# Altium PCB Fri3D_2020_03.PcbDoc (part 1 of 3)
Units mm, origin at the board's own origin, x right, y up, seen from the top; angles counter-clockwise.
Board outline 134.73 x 117.95 mm, 2 copper layers (Top Layer, Bottom Layer), stack 1.571 mm thick; 120 components, 88 nets, 479 pads, 206 vias.
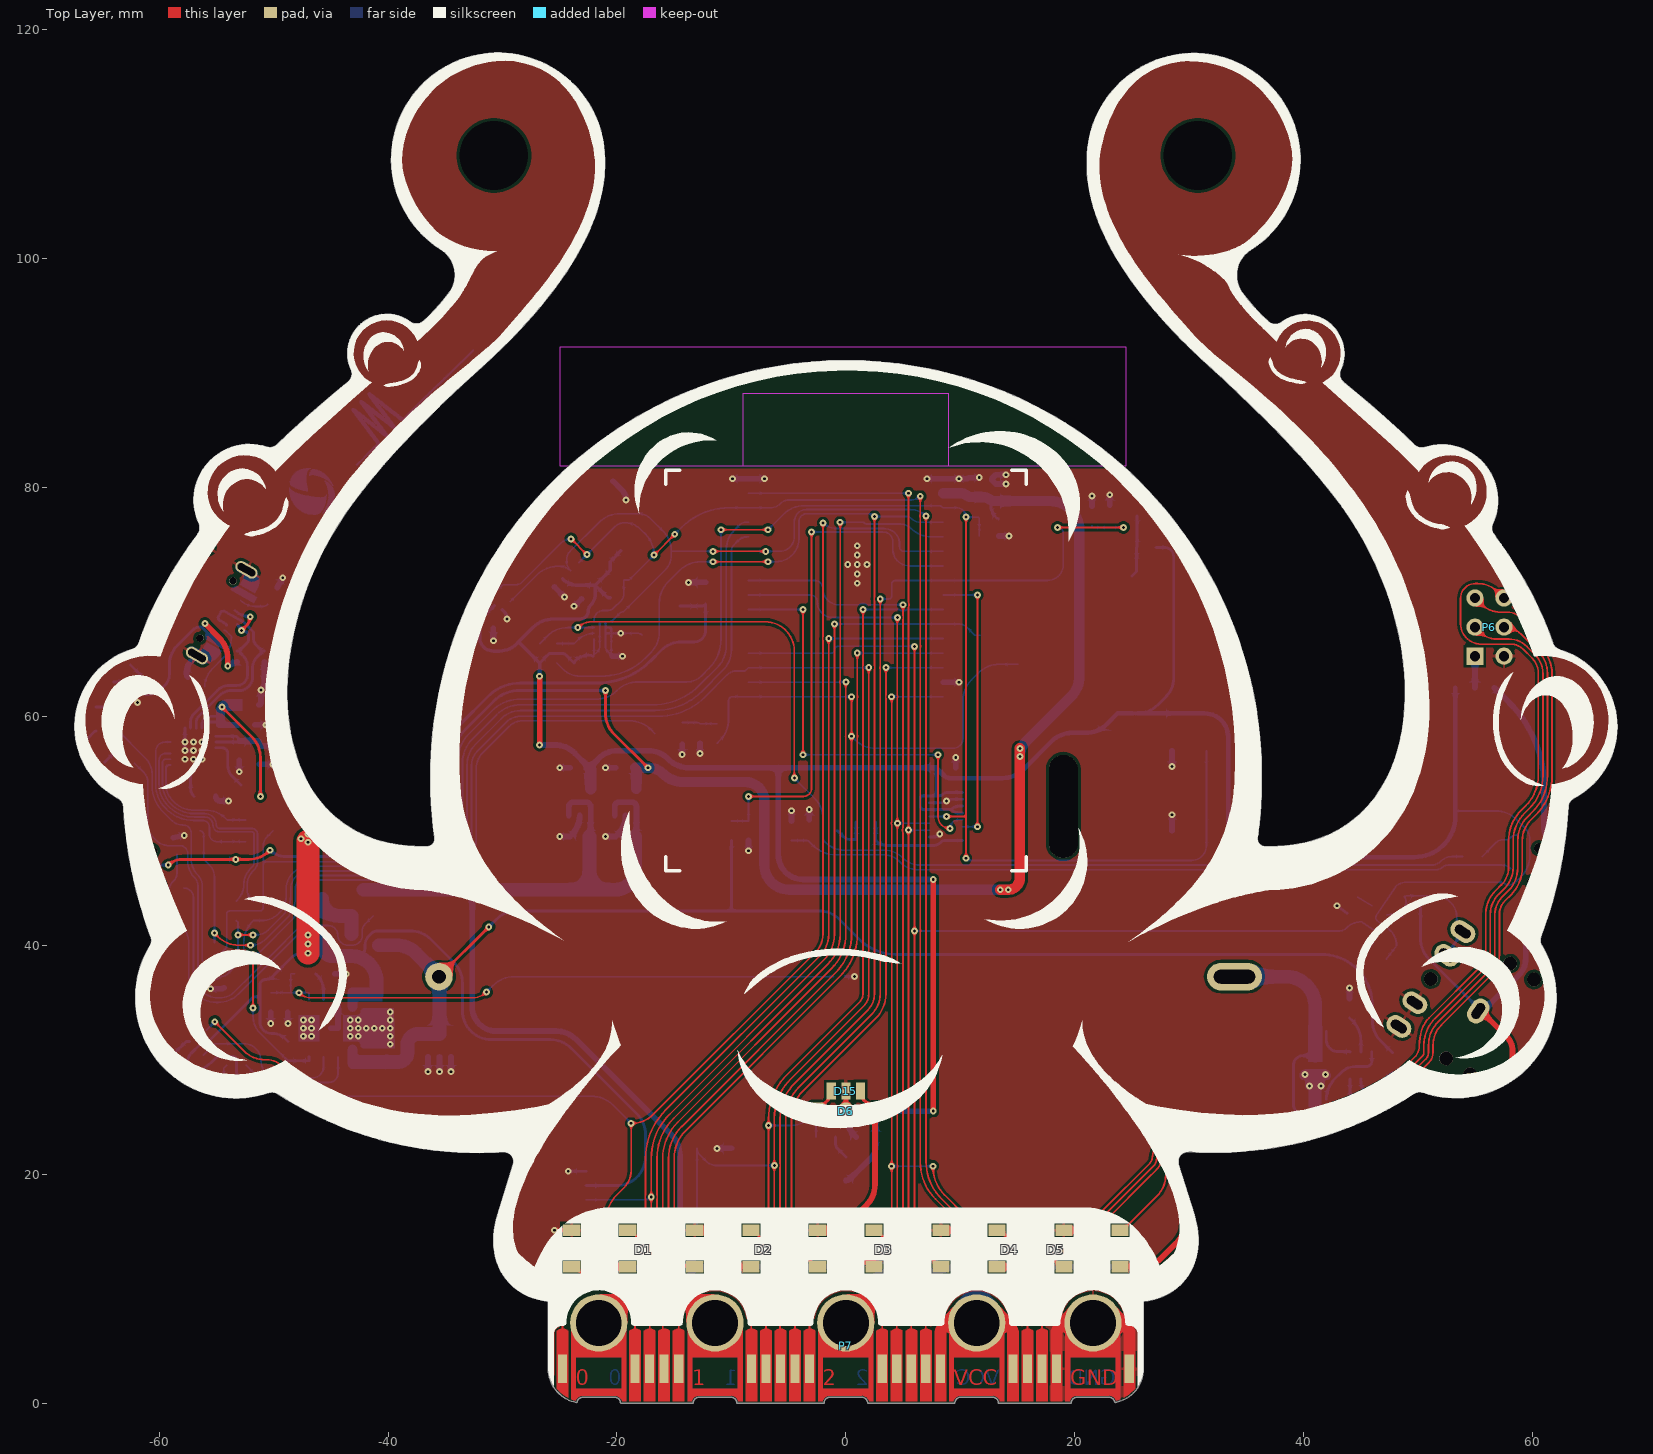
[diagram p0: Top Layer view]
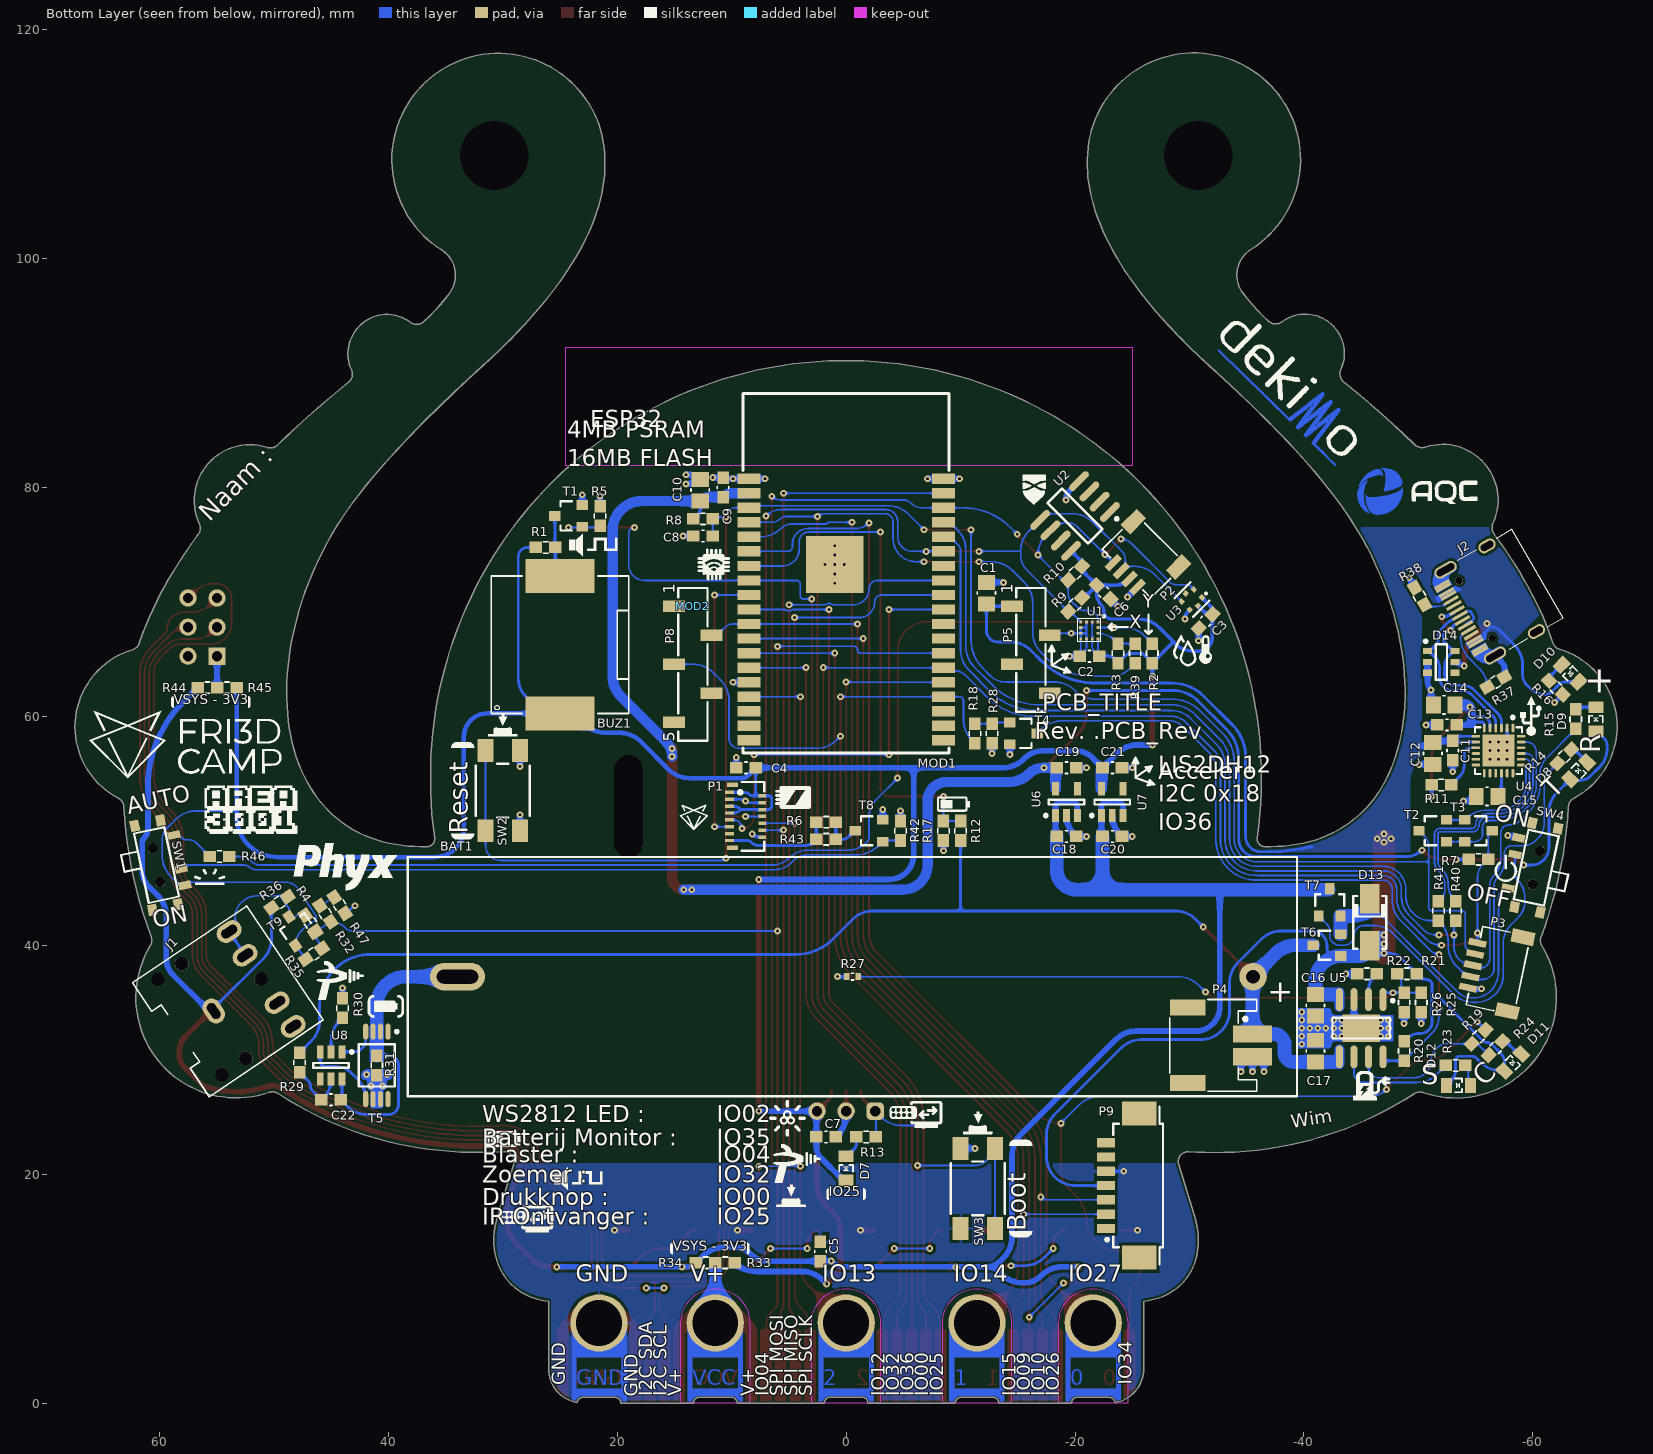
[diagram p1: Bottom Layer view, seen from below]
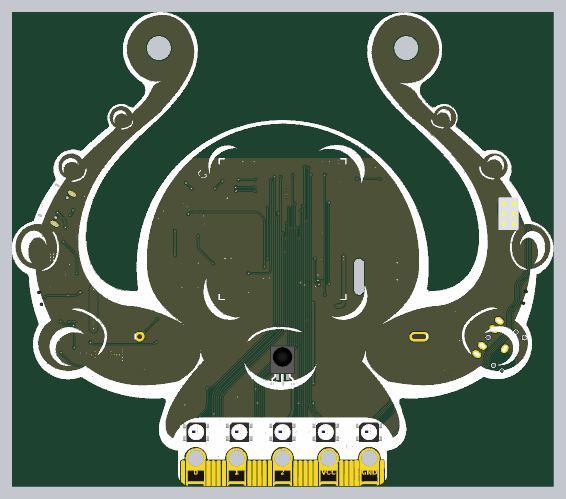
[diagram p4: 3D render of the assembled board from above, using the file's embedded part models]
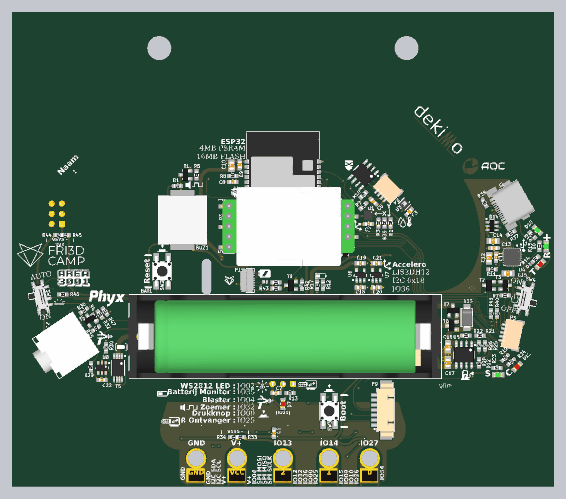
[diagram p5: 3D render of the assembled board from below, using the file's embedded part models]

## Layer stack, top to bottom
Top Solder: solder mask 0.0102, Solder Resist, Dk 3.5
Top Layer: signal copper 0.0356
Dielectric1: core 1.5, FR-4, Dk 4.8
Bottom Layer: signal copper 0.0356
Bottom Solder: solder mask 0.0102, Solder Resist, Dk 3.5

## Board outline
-60.11,29.904 ccw(c-53.292,35.408) -50.44,27.122 cw(c-50.13,26.256) -49.633,27.031 ccw(c-32.289,53.671) -32.01,21.884 ccw(c-32.05,57.37) -29.926,21.947 cw(c-29.877,21.088) -29.199,21.618 cw(c-29.877,21.088) -29.055,20.832 -30.417,16.437 ccw(c-23.152,14.129) -30.774,14.19 ccw(c-24.62,14.176) -30.69,13.16 ccw(c-25.278,14.068) -30.441,12.21 ccw(c-25.77,13.893) -27.048,9.095 ccw(c-25.288,15.222) -26,8.887 -26,3 ccw(c-23,3) -23.521,0.046 -23.484,0.087 cw(c-22.992,0) -22.992,0.5 -20.188,0.5 cw(c-20.188,0) -19.688,0 -13.332,0 cw(c-12.832,0) -12.832,0.5 -10.028,0.5 cw(c-10.028,0) -9.528,0 -1.902,0 cw(c-1.402,0) -1.402,0.5 1.402,0.5 cw(c1.402,0) 1.902,0 9.528,0 cw(c10.028,0) 10.028,0.5 12.832,0.5 cw(c12.832,0) 13.332,0 19.688,0 cw(c20.188,0) 20.188,0.5 22.992,0.5 cw(c22.992,0) 23.484,0.087 23.521,0.046 ccw(c23,3) 26,3 26,7.7 26.003,7.7 26.003,8.898 ccw(c25.372,14.826) 27.987,9.469 ccw(c25.799,13.913) 29.491,10.61 ccw(c25.67,13.965) 30.693,13.171 ccw(c24.623,14.187) 30.777,14.2 ccw(c23.716,14.185) 30.689,15.297 ccw(c22.562,14.001) 30.42,16.447 29.058,20.843 cw(c29.88,21.098) 29.202,21.628 cw(c29.88,21.098) 29.929,21.958 ccw(c32.049,55.456) 40.171,22.888 ccw(c32.571,53.068) 49.635,27.041 cw(c50.133,26.266) 50.443,27.133 ccw(c53.287,35.425) 60.108,29.918 ccw(c53.287,35.425) 60.794,39.953 cw(c61.554,40.427) 60.716,40.743 ccw(c24.854,54.201) 63.101,52.106 cw(c63.995,52.051) 63.57,52.84 ccw(c60.321,59.103) 67.377,59.077 ccw(c60.321,59.064) 62.325,65.829 cw(c62.586,66.672) 61.746,66.401 ccw(c35.224,57.468) 60.552,69.373 ccw(c30.664,55.364) 59.57,71.301 ccw(c26.473,53.056) 58.46,73.182 ccw(c21.845,50.147) 57.243,75.013 ccw(c18.098,47.54) 56.599,75.908 cw(c57.326,76.444) 56.508,76.825 ccw(c52.085,78.86) 55.729,82.088 ccw(c52.085,78.86) 50.599,83.496 cw(c50.307,84.358) 49.678,83.701 ccw(c-7.984,24.327) 47.092,86.107 45.836,87.208 44.621,88.24 43.458,89.201 cw(c44.036,89.891) 43.215,90.259 ccw(c40.131,91.684) 43.511,92.023 ccw(c40.083,91.664) 40.58,95.074 ccw(c40.105,91.714) 38.078,94.436 cw(c37.519,95.162) 36.904,94.482 cw(c48.404,107.183) 34.611,97.018 cw(c36.753,98.529) 34.183,99.046 cw(c36.753,98.529) 35.362,100.751 ccw(c30.381,108.611) 39.035,112.033 ccw(c30.381,108.611) 28.641,117.754 ccw(c30.381,108.611) 21.075,108.614 21.075,108.438 ccw(c33.072,108.206) 21.353,105.628 ccw(c36.044,108.8) 21.775,104.077 ccw(c38.811,109.716) 22.412,102.431 ccw(c42.274,111.254) 23.28,100.69 ccw(c46.501,113.603) 24.399,98.857 ccw(c51.56,116.974) 25.787,96.932 ccw(c57.515,121.6) 27.462,94.917 ccw(c64.422,127.727) 29.442,92.813 ccw(c72.342,135.624) 31.746,90.622 cw(c-67.679,-19.407) 34.287,88.271 35.557,87.052 36.811,85.811 cw(c-33.229,16.118) 38.038,84.556 cw(c-23.678,25.284) 39.227,83.292 cw(c-14.466,33.773) 40.368,82.026 cw(c-5.669,41.509) 41.449,80.763 cw(c2.525,48.329) 42.459,79.511 cw(c10.089,54.229) 43.388,78.275 cw(c18.951,60.764) 48.275,67.389 cw(c23.256,61.825) 48.815,63.732 cw(c27.295,62.11) 48.795,60.238 cw(c31.574,61.723) 48.205,57.013 cw(c35.162,60.699) 47.035,54.161 cw(c37.389,59.481) 45.276,51.791 cw(c37.879,59.113) 39.952,48.913 cw(c37.068,62.409) 36.586,48.617 cw(c36.611,49.276) 36.104,48.854 cw(c36.611,49.276) 35.958,49.372 ccw(c-0.497,54.456) 36.311,54.431 ccw(c0.019,54.789) 18.269,86.16 ccw(c0.019,54.789) -18.231,86.16 ccw(c0.019,54.789) -36.273,54.431 ccw(c0.536,54.456) -35.92,49.372 cw(c-36.573,49.276) -36.066,48.854 cw(c-36.573,49.276) -36.548,48.617 cw(c-37.029,62.409) -39.914,48.913 cw(c-37.862,59.086) -46.997,54.161 cw(c-35.123,60.699) -48.166,57.013 cw(c-31.535,61.723) -48.757,60.238 cw(c-27.256,62.11) -48.777,63.732 cw(c-23.219,61.825) -48.237,67.389 cw(c-19.373,60.925) -45.514,74.766 cw(c-18.524,60.543) -43.35,78.275 cw(c-7.151,52.285) -41.422,80.768 cw(c4.524,42.726) -40.346,82.032 cw(c12.898,35.397) -39.209,83.299 cw(c21.605,27.398) -38.022,84.564 cw(c30.535,18.842) -36.796,85.819 -35.543,87.058 cw(c52.494,-3.485) -32.996,89.466 -31.726,90.622 ccw(c-68.608,131.494) -27.452,94.929 ccw(c-57.703,121.656) -25.782,96.948 ccw(c-51.712,117.023) -24.398,98.876 ccw(c-46.625,113.646) -23.281,100.712 ccw(c-42.375,111.293) -22.415,102.455 ccw(c-38.895,109.753) -21.78,104.102 ccw(c-36.121,108.837) -21.358,105.654 ccw(c-33.971,108.373) -21.13,107.109 ccw(c-32.373,108.214) -21.079,108.466 -21.079,108.642 ccw(c-30.389,108.646) -28.646,117.791 ccw(c-30.389,108.646) -39.047,112.067 ccw(c-30.389,108.646) -35.366,100.779 cw(c-36.757,98.557) -34.187,99.074 cw(c-36.757,98.557) -34.615,97.046 cw(c-48.408,107.211) -36.908,94.51 cw(c-37.523,95.191) -38.083,94.464 ccw(c-40.11,91.742) -40.584,95.103 ccw(c-40.091,91.695) -43.515,92.051 ccw(c-40.135,91.712) -43.219,90.287 cw(c-44.04,89.919) -43.462,89.229 ccw(c28.14,1.491) -45.84,87.233 ccw(c18.036,13.228) -47.735,85.554 ccw(c10.768,21.216) -49.682,83.729 cw(c-50.311,84.387) -50.603,83.524 ccw(c-52.096,78.894) -55.737,82.12 ccw(c-52.096,78.894) -56.512,76.853 cw(c-57.33,76.472) -56.603,75.936 ccw(c-20.635,49.376) -58.465,73.211 ccw(c-26.475,53.083) -59.574,71.329 ccw(c-30.665,55.391) -60.556,69.401 ccw(c-34.38,57.13) -61.393,67.429 ccw(c-36.836,58.083) -61.75,66.429 cw(c-62.59,66.7) -62.329,65.857 ccw(c-60.3,59.1) -67.323,59.772 ccw(c-60.3,59.1) -63.574,52.85 cw(c-63.999,52.062) -63.105,52.117 ccw(c-24.858,54.209) -60.713,40.733 cw(c-61.552,40.416) -60.791,39.942 ccw(c-53.292,35.408)

## Design rules (kind name [scope] priority, off if disabled: settings)
BoardOutlineClearance [NOT OnLayer('Top Overlay') AND NOT OnLayer('Bottom Overlay') AND NOT IsText AND NOT HasFootprint('MicroBIT_V2_PCB') AND NOT IsKeepOut] p1: gap=0.5 ignorepadtopadclearanceinfootprint=FALSE except(0: Arc-SplitContinuation Track-SplitContinuation SMDPad-SplitContinuation THPad-SplitContinuation Via-SplitContinuation Fill-SplitContinuation Poly-SplitContinuation Region-SplitContinuation Text-SplitContinuation; 0.15: SMDPad-OutlineEdge THPad-OutlineEdge; 0.25: Poly-OutlineEdge Region-OutlineEdge; 0.3: Arc-OutlineEdge Track-OutlineEdge; 0.4: Via-OutlineEdge)
Clearance [All] p1: gap=0.15 ignorepadtopadclearanceinfootprint=FALSE except(0: Arc-Hole Track-Hole SMDPad-Hole THPad-Hole Via-Hole Fill-Hole Poly-Hole Region-Hole Text-Hole; 0.25: Arc-Poly Track-Poly SMDPad-Poly THPad-Poly Via-Poly Fill-Poly; 1.1: Poly-Poly)
ComponentClearance ComponentClearance_TP [HasFootprint('TP_2x3mm')] p1: gap=0 collisioncheckmode=3 verticalgap=0 showdistances=FALSE
ComponentClearance ComponentClearance_CO2 [InComponent('P5') OR InComponent('P8') OR InComponent('MOD2') vs InComponent('P5') OR InComponent('P8') OR InComponent('MOD2')] p2: gap=0 collisioncheckmode=3 verticalgap=0 showdistances=FALSE
ComponentClearance ComponentClearance_BAT [InComponent('P4')  OR InComponent('BAT1') OR InComponent('R27') vs InComponent('P4')  OR InComponent('BAT1') OR InComponent('R27')] p3: gap=0 collisioncheckmode=3 verticalgap=0 showdistances=FALSE
ComponentClearance ComponentClearance_R31-T5 [InComponent('R31') OR InComponent('T5') vs InComponent('R31') OR InComponent('T5')] p4: gap=0 collisioncheckmode=3 verticalgap=0 showdistances=FALSE
ComponentClearance "ComponentClearance_Selection resistors" [InComponent('R45') OR InComponent('R44') OR InComponent('R33') OR InComponent('R34') vs InComponent('R45') OR InComponent('R44') OR InComponent('R33') OR InComponent('R34')] p5: gap=0 collisioncheckmode=3 verticalgap=0 showdistances=FALSE
ComponentClearance ComponentClearance_T9-R4 [InComponent('R4') OR InComponent('T9') vs InComponent('R4') OR InComponent('T9')] p6: gap=0 collisioncheckmode=3 verticalgap=0 showdistances=FALSE
ComponentClearance ComponentClearance_IR [InComponent('D6') OR InComponent('D15') vs InComponent('D6') OR InComponent('D15')] p7: gap=0 collisioncheckmode=3 verticalgap=0 showdistances=FALSE
ComponentClearance [All] p8: gap=0.25 collisioncheckmode=3 verticalgap=0.25 showdistances=FALSE
DiffPairsRouting [All] p1: maxlimit=0.254 minlimit=0.2 mostfreqgap=0.2 toplayer_minwidth=0.25 toplayer_maxwidth=0.5 toplayer_prefwidth=0.25 bottomlayer_minwidth=0.25 bottomlayer_maxwidth=0.5 bottomlayer_prefwidth=0.25 maxuncoupledlength=12.7
HoleSize [All] p1: absolutevalues=TRUE maxlimit=20 minlimit=0.025 maxpercent=80.000 minpercent=20.000
PolygonConnect PolygonConnect_VIA [IsVia] p1: connectstyle=Direct reliefconductorwidth=0.254 reliefentries=4 polygonreliefangle="90 Angle" airgapwidth=0.254
PolygonConnect [All] p2: connectstyle=Relief reliefconductorwidth=0.254 reliefentries=4 polygonreliefangle="90 Angle" airgapwidth=0.254
RoutingVias [All] p1: holewidth=0.3 width=0.7 viastyle="Through Hole" minholewidth=0.3 minwidth=0.2 maxholewidth=0.6 maxwidth=1.2
SilkToSolderMaskClearance SilkscreenOverComponentPads [IsPad] p1: minsilkscreentomaskgap=0.254 clearancetoexposedcopper=TRUE
SolderMaskExpansion [All] p1: expansion=0.05 istentingtop=FALSE
Width [All] p1: maxlimit=5 minlimit=0.15 preferedwidth=0.25
26 further rules are at their usual default settings.

## Classes and differential pairs
net class ESP.IO[0..39]: ESP.IO0 ESP.IO1 ESP.IO2 ESP.IO3 ESP.IO4 ESP.IO5 ESP.IO6 ESP.IO7 ESP.IO8 ESP.IO11 ESP.IO12 ESP.IO13 ESP.IO14 ESP.IO15 ESP.IO18 ESP.IO19 ESP.IO20 ESP.IO21 ESP.IO22 ESP.IO23 ESP.IO24 ESP.IO25 ESP.IO26 ESP.IO27 ESP.IO28 ESP.IO29 ESP.IO30 ESP.IO31 ESP.IO32 ESP.IO33 ESP.IO34 ESP.IO35 ESP.IO36 ESP.IO37 ESP.IO38 ESP.IO39
net class 90r: USB.D_n USB.D_p
component class Power: BAT1 C16 C17 C18 C19 C20 C21 C22 D11 D12 D13 P4 R18 R19 R20 R21 R22 R23 R24 R25 R26 R27 R28 R29 R30 R31 SW4 T4 T5 T6 T7 U5 U6 U7 U8
component class Peripherals: BUZ1 C1 C2 C3 C4 C5 C6 C7 D1 D2 D3 D4 D5 D6 D15 MOD2 P1 P2 P5 P8 P9 R1 R2 R3 R5 R6 R39 R42 R43 R46 SW1 T1 T8 U1 U2 U3
component class Fri3D_2020_03: D14 J1 J2 P6 P7 R4 R32 R33 R34 R35 R36 R37 R38 R44 R45 R47 T9
component class ESP32: C8 C9 C10 C11 C12 C13 C14 C15 D7 D8 D9 D10 MOD1 P3 R7 R8 R9 R10 R11 R12 R13 R14 R15 R16 R17 R40 R41 SW2 SW3 T2 T3 U4
net class POWER: 3V3_AUX 3V3_ESP 3V3_USB GBAT GND VB-S VBAT VSYS VUSB
differential pair USB.D: +USB.D_p -USB.D_n

## Components (designator, comment, footprint, x,y, rotation, side; value= is the part's Value field where it differs from the comment)
BAT1 "18650 Battery holder with spring" BAT_18650_SPRING -0.548,37.252 r180 bottom locked value=18650_SPRING
BUZ1 "12x12x3mm Piezo Buzzer Transducer 81dB" CUI_CMT-1203-SMT 25,66.25 r90 bottom value=CMT-1203-SMT
C1 "CAP_CERAMIC" C0805_N -12.25,70.75 r90 bottom value="10uF 10V"
C2 "" C0603_N -21.25,65.25 r0 bottom value="100nF 16V"
C3 "" C0603_N -31.4,68.3 r315 bottom value="100nF 16V"
C4 "" C0603_N 8.75,55.5 r0 bottom value="100nF 16V"
C5 "CAP_CERAMIC" C0603_N 2.25,13.25 r90 bottom value="1uF 16V"
C6 "" C0603_N -22.5,70.85 r225 bottom value="100nF 16V"
C7 "" C0603_N 1.75,23.25 r180 bottom value="100nF 16V"
C8 "" C0603_N 12.5,75.75 r0 bottom value="100nF 16V"
C9 "" C0603_N 10.75,80 r90 bottom value="100nF 16V"
C10 "CAP_CERAMIC" C0805_N 12.75,79.75 r90 bottom value="10uF 10V"
C11 "" C0603_N -53,57 r270 bottom value="100nF 16V"
C12 "CAP_CERAMIC" C0805_N -51.25,56.75 r90 bottom value="10uF 10V"
C13 "" C0603_N -52.5,59.25 r0 bottom value="100nF 16V"
C14 "CAP_CERAMIC" C0805_N -52.25,61 r180 bottom value="10uF 10V"
C15 "CAP_CERAMIC" C0805_N -56,53 r180 bottom value="10uF 10V"
C16 "CAP_CERAMIC" C0805_N -41,34.75 r270 bottom value="10uF 10V"
C17 "CAP_CERAMIC" C0805_N -41,30.75 r90 bottom value="10uF 10V"
C18 "CAP_CERAMIC" C0603_N -19.25,49.5 r180 bottom value="1uF 16V"
C19 "CAP_CERAMIC" C0603_N -19.25,55.5 r180 bottom value="1uF 16V"
C20 "CAP_CERAMIC" C0603_N -23.25,49.5 r180 bottom value="1uF 16V"
C21 "CAP_CERAMIC" C0603_N -23.25,55.5 r180 bottom value="1uF 16V"
C22 "" C0603_N 45,26.5 r180 bottom value="100nF 16V"
D1 "WS2812 based digital RGB LED 5050 Black package" LED_5050_WS2812B_BLACK -21.5,13.5 r180 top value="WS218B 5050 BL"
D2 "WS2812 based digital RGB LED 5050 Black package" LED_5050_WS2812B_BLACK -10.75,13.5 r180 top value="WS218B 5050 BL"
D3 "WS2812 based digital RGB LED 5050 Black package" LED_5050_WS2812B_BLACK 0,13.5 r180 top value="WS218B 5050 BL"
D4 "WS2812 based digital RGB LED 5050 Black package" LED_5050_WS2812B_BLACK 10.75,13.5 r180 top value="WS218B 5050 BL"
D5 "WS2812 based digital RGB LED 5050 Black package" LED_5050_WS2812B_BLACK 21.5,13.5 r180 top value="WS218B 5050 BL"
D6 "IRM-3638N3F14 Infrared Receiver 38 kHz 45° 2.7-5.5V" VIS_TSOP381x_BENT 0,25.5 r0 top value=IRM-3638N3F14
D7 "Default 0805 Red LED" LED_0805_RD 0,20.5 r90 bottom
D8 "Default 0805 Red LED" LED_0805_RD -64,55.25 r135 bottom
D9 "Default 0805 Green LED" LED_0805_GR -65.5,59.75 r90 bottom
D10 "Default 0805 Green LED" LED_0805_GR -63.25,63.75 r45 bottom
D11 "Default 0805 Red LED" LED_0805_RD -58.25,29.75 r135 bottom
D12 "Default 0805 Green LED" LED_0805_GR -53.5,27.75 r180 bottom
D13 "MBRA210LT3G" SMA_AC -45.75,42 r90 bottom
D14 "TVS Diode Dual USB" NXP_SOT457 -52,64.75 r180 bottom value=IP4220CZ6
D15 "ZIRM-5042B-42-Z2 Infrared Receiver 38 kHz 45° 2.7-5.5V 940nm" CHAU_ZIRM-5042B-42-Z2 0,27.25 r0 top value=ZIRM-5042B-42-Z2
J1 "3.5mm jack, dual switch, black, 3 contacts" CUI_SJ1-3525NG 51.105,37.046 r146 bottom value=SJ1-3525NG
J2 "USB 2.0 C Reversible Receptacle Horizontal" HRO_TYPE-C-31-M-12 -55.944,69.872 r60 bottom locked value=TYPE-C-31-M-12
MOD1 "ESP-32 based ESP-WROVER-32" ESP-WROVER-32 0,72.5 r180 bottom value=ESP-WROVER-32
MOD2 "MH-Z19C CO2 Sensor TH Pins" WIN_MH-Z19x-PH 13.395,69.62 r180 bottom locked
P1 "Bottom contact FPC 0.3mm pitch 15 contacts" FPC_AFE03-S15FMA-1H 8.75,51.25 r270 bottom value=AFE03-S15FMA-1H
P2 "Header 1.0mm RA Shrouded 4" WE_665104131822 -25.457,71.293 r45 bottom value=665104131822
P3 "Header 1.0mm RA Shrouded 5" WE_665105131822 -54.334,36.294 r102 bottom value=665105131822
P4 "Header 2.0mm Shrouded 2" WE_620102131822 -35.5,32.25 r270 bottom value=620102131822
P5 "Receptacle 4 SMD Type 2" WE_61000413321 -16.145,65.81 r90 bottom value=61000413321
P6 "Receptacle 3x2" RCPT2X3 57.5,65.25 r90 top
P7 "MicroBit PCB connector" MicroBIT_V2_PCB 0,0 r0 top
P8 "Receptacle 5 SMD Type 2" WE_61000513321 13.395,64.54 r90 bottom value=61000513321
P9 "Molex Picoblade SMD RA 532610771" MLX_53261-0771 -25.5,19 r90 bottom value=532610771
R1 "RESISTOR" R0603_N#1 26.25,74.75 r180 bottom value=1K2